# Altium PCB PCBmain.PcbDoc (continued)
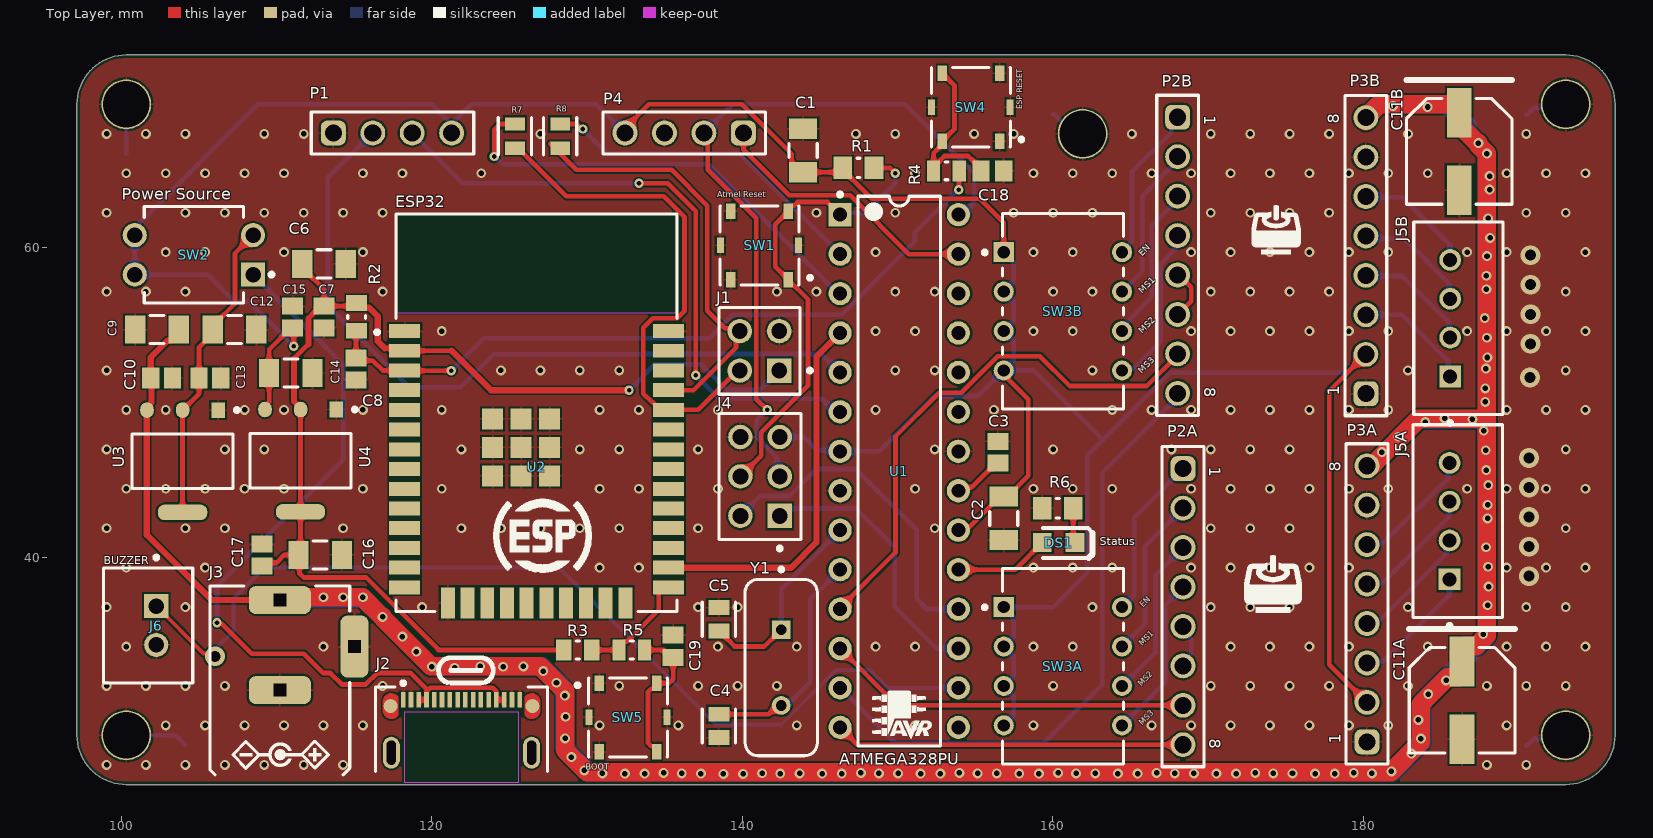
[diagram p0: Top Layer view]
## Part data
C1 C2 C6 C9 C12 C14 C16: library part CMP-04427-000082-1, "General Purpose Ceramic Capacitor, 1206, 10uF, 10%, X5R, 15%, 16V", Capacitance=10uF, Case Code (Imperial)=1206, Case Code (Metric)=3216, Dielectric=X5R, Max Operating Temperature=85°C, Min Operating Temperature=-55°C, Package Quantity=1, Tolerance=10%, Voltage=16V, Case/Package=1206, Construction=Flat, Depth=1.6mm, Height=0.07mm, Lead Free="Lead Free", Length=3.2mm, Mount="Surface Mount", Number of Pins=2, Packaging="Tape and Reel", Radiation Hardening=No, REACH SVHC="No SVHC", RoHS Compliant=Yes, Series=-, Size=1.78mm, Termination=SMD/SMT, Thickness=0.07inch, Voltage Rating=16V, Voltage Rating (DC)=16V, Width=1.6mm
C3 C7 C10 C13 C15 C17: library part CMP-2007-04784-1, Manufacturer="AVX Interconnect / Elco", Part Number=08055F104KAT2A
C4 C5: library part CMP-2007-00528-2, "CAP CER 22PF 25V 10% NP0 0805", Capacitance="22 pF", Manufacturer=KEMET, Package=C0805C-DN, Temperature="-55°C to +125°C", Temperature Characteristic=C0G, Temperature Coefficient=30ppm/°C, Temperature Range High=+125°C, Temperature Range Low=-55°C, Tolerance=0.1, Voltage Rating="25 V", Automotive=No, Category=Cap, ComponentLink2Description=Datasheet, ComponentLink2URL=https://content.kemet.com/datasheets/KEM_C1003_C0G_SMD.pdf, Device Class L1="Passive Components", Device Class L2=Capacitors, Device Class L3="Ceramic Capacitors", Digikey Description="CAP CER 22PF 25V 10% NP0 0805", Height=0.88mm, Ipc Land Pattern Name=CAPC200125X78, Lead Free=Yes, Manufacturer Part Number=C0805C220K3GACTU, Material=Ceramic, Mouser Description="Multilayer Ceramic Capacitors MLCC - SMD/SMT 25volts 22pF C0G 10%", Octopart=https://octopart.com/c0805c220k3gactu-kemet-12580612, RoHS=TRUE
C8: library part CMP-1036-04746-2, Manufacturer=Kemet, Parameter 1=1uF, Part Number=C0805C105K4PACTU
C11A C11B: library part CMP-2000-06206-1, "Aluminum Electrolytic Capacitor, 100 uF, +/- 20%, 25 V, 2-Pin SMD (Size Code D8), -55 to 105 degC, RoHS, Tape and Reel", Capacitance=100µF, Case Size/Dimension=Ø6.3x7.7mm, Lifetime@Temperature=2000Hrs@105°C, Manufacturer=Panasonic, Operating Temp Range=-55to+105°C, Operating Temp-Max=105°C, Package Description="2-Pin Electrolytic Aluminum Capacitor, Body 6.6 x 6.6 mm", Package Reference=FK-V-D8, Rated Voltage=25V, Ripple Current=280mA, Datasheet URL=http://industrial.panasonic.com/cdbs/www-data/pdf/RDE0000/ABA0000C1181.pdf, Datasheet Version=03/2016, Impedance=0.34O, Manufacturer URL=http://www.panasonic.com/, Mounting Technology=SurfaceMount, Package URL=http://industrial.panasonic.com/cdbs/www-data/pdf/RDE0000/DME0000COL48.pdf, Series=FK, Type=Can
C18 C19: library part CMP-2007-03135-1, Manufacturer=Vitramon, Parameter 1=1nF, Part Number=VJ0805D102KXAAJ
DS1: library part CMP-2000-05062-1, "Chip LED, Green, 2.2 V, -40 to 85 degC, 2-Pin SMD, Pb-Free, Tape and Reel", Forward Current If=20mA, Forward Voltage=2.2V, Forward Voltage VF Max=2.6V, LED Colour=Green, Manufacturer=Avago, Operating Temperature Max=85degC, Operating Temperature Min=-30degC, Operating Temperature Range=-30degCto+85degC, Opto Case Style=SMD, Package Description="2-Pin Surface Mount Device, Body 2 x 1.25 mm, Height 0.8 mm", Package Reference=HSMX-C170, Storage Temperature Min=-40degC, Bulb Size=1.25mmx1.4mm, Datasheet URL=https://datasheet.ciiva.com/29280/180495-da-01-en-chip-led-hsmg-c170-gelb-gruen-29280971.pdf, Datasheet Version=Oct-08, Dominant Wavelength=572nm, Dominant Wavelength Typ=572nm, External Depth=0.8mm, External Length / Height=2mm, External Width=1.25mm, Forward Current If Max=20mA, LED Mounting=SMD, LED Type=Standard, Lens Shape=Rectangular, Light Area Height=1mm, Luminous Intensity=15mcd, Luminous Intensity Min=4mcd, Luminous Intensity Typ=15mcd, Manufacturer URL=http://www.avagotech.com/, Mounting Type=SMD, MSL=MSL2A-4weeks, No. of Pins=2, Opto Mounting Orientation=Top, Packaging=CutTape, Peak Forward Current=20mA, Peak Wavelength=570nm, PIV Max=5V, Storage Temperature Max=85degC, SVHC=NoSVHC(16-Jun-2014), Viewing Angle=170deg, Voltage Vf Typ=2.2V, Wavelength Typ=570nm
J1: library part CMP-25680-000069-1, "CONN HEADER VERT 4POS 2.54MM", Color=Black, Flammability Rating="UL94 V-0", Max Operating Temperature=125°C, Min Operating Temperature=-65°C, Package Quantity=1, Connector Type="Male Pin", Contact Finish - Mating=TIN, Contact Material=Bronze, Contact Mating Length=0.23inch, Contact Plating=Tin, Contact Shape=Square, Contact Type="Male Pin", Fastening Type=Pull, Gender=Male, Height=2.54mm, Housing Color=Black, Housing Material=Plastic, Insulation Color=Black, Insulation Material=PBT, Lead Free="Lead Free", Length=5.08mm, Mount="Through Hole", Number of Contacts=4, Number of Positions=4, Number of Rows=2, Packaging=Bulk, Pitch=0.1inch, RoHS Compliant=Yes, Row Spacing=0.1inch, Series=-, Termination=Solder, Width=5.08mm
J2: library part CMP-04767-000030-2, "CONN RCP USB2.0 TYP C 24P SMD RA", Current Rating=5A, Max Operating Temperature=85°C, Min Operating Temperature=-40°C, Voltage Rating=30V, Contact Material="Gold, Nickel", Country of Origin=CN, Gender=Receptacle, NexarPartId=114105384, Number of Contacts=16, Schedule B="8536695050, 8536695050", USB Standard="USB 2.0"
J3: library part CMP-1502-00188-2, Color=Black, Current Rating=5A, Flammability Rating="UL94 V-0", Insulation Resistance=100MΩ, Max Operating Temperature=85°C, Min Operating Temperature=-40°C, Operating Supply Voltage=24V, Voltage Rating (DC)=20V, Connector Type=Power, Contact Gender=Female, Contact Material="Gold, Tin", Contact Plating=Tin, Gender=Male, Height=11mm, Housing Material=Polyamide, Mount="Through Hole", NexarPartId=52676100, Number of Contacts=3, Packaging=Bulk, REACH SVHC=Unknown, RoHS=Compliant, Shielding=Unshielded, Termination="Through Hole", Voltage Rating=24V
J4: library part CMP-2000-06636-2, "CONN HEADER VERT 6POS 2.54MM", Current Rating=3A, Manufacturer=Harwin, Temperature="-40°C to +105°C", Temperature Range High=+105°C, Temperature Range Low=-40°C, Automotive=No, Category=Conn, ComponentLink2Description=Datasheet, ComponentLink2URL=https://cdn.harwin.com/pdfs/M20-998.pdf, Conn Gender=Male, Conn Orientation=Vertical, Contact Material=Tin,Nickel, Device Class L1=Connectors, Device Class L2="Headers and Wire Housings", Device Class L3=unset, Digikey Description="CONN HEADER VERT 6POS 2.54MM", Height=8.99mm, Lead Free=Yes, Manufacturer Part Number=M20-9980346, Mouser Description="2.54mm (0.1\") Pitch DIL Vertical PC Tail Pin Header, 6.1mm mating pin height, tin, 3+3 contacts", Number of Contacts=6, Number of Rows=2, Octopart=https://octopart.com/m20-9980346-harwin-5436545, Package=M20-9980346, Pitch=2.54mm, RoHS=TRUE
J5A J5B: library part CMP-17439-000250-1, "CONN HEADER VERT 4POS 2.5MM", Color=Natural, Contact Resistance=20mR, Current Rating=3A, Flammability Rating="UL94 V-0", Housing Color=White, Insulation Resistance=1GR, Max Operating Temperature=85°C, Max Voltage Rating (AC)=250V, Min Operating Temperature=-25°C, Package Quantity=500, Connector Type=Header, Contact Finish - Mating=TIN, Contact Material=Brass, Contact Plating=Tin, Contact Shape=Square, Contact Type="Male Pin", Depth=5.75mm, Fastening Type=Detent, Gender=Male, Housing Material=Polyamide, Insulation Color=Natural, Insulation Material=Nylon, Lead Free="Lead Free", Lead Pitch=2.5mm, Length=12.4mm, Mated Stacking Heights=9.8mm, Material=Polyamide, Max Current Rating=3A, Max Voltage Rating (DC)=250V, Mount="Through Hole", Number of Contacts=4, Number of Positions=4, Number of Rows=1, Orientation=Straight, Packaging=Bulk, Pitch=2.5mm, REACH SVHC="No SVHC", Series=XH, Termination=Solder, Voltage Rating=250V, Voltage Rating (AC)=250V, Wire/Cable Gauge=22AWG
J6: library part CMP-2000-05888-3, "CONN HEADER VERT 2POS 2.5MM", Color=Natural, Contact Resistance=20mR, Current Rating=3A, Housing Color=White, Insulation Resistance=1GR, Max Operating Temperature=85°C, Max Voltage Rating (AC)=250V, Min Operating Temperature=-25°C, Connector Type="Male Pin", Contact Material=Brass, Contact Plating=Tin, Contact Type="Male Pin", Depth=5.75mm, Fastening Type=Detent, Housing Material=Polyamide, Lead Free="Lead Free", Lead Pitch=2.5mm, Length=7.4mm, Max Current Rating=3A, Max Voltage Rating (DC)=250V, Mount="Through Hole", Number of Contacts=2, Number of Positions=2, Number of Rows=1, Orientation=Straight, Packaging=Bulk, Pitch=2.5mm, REACH SVHC="No SVHC", Series=XH, Termination=Solder, Voltage Rating=250V, Voltage Rating (AC)=250V, Wire/Cable Gauge=22AWG
P1 P4: library part CMP-1502-01064-2, Color=Black, Contact Resistance=20mΩ, Current Rating=3A, Max Operating Temperature=105°C, Min Operating Temperature=-40°C, Operating Supply Voltage=250V, Connector Type="Male Pin", Contact Material=Copper, Contact Mating Length=5.9944mm, Contact Plating=Gold, Gender=Male, Height=8.89mm, Lead Free="Lead Free", Lead Pitch=2.54mm, Mount="Through Hole", NexarPartId=32855522, Number of Contacts=4, Number of Pins=4, Number of Positions=4, Number of Rows=1, Orientation=Vertical, Packaging=Bulk, Pitch=2.54mm, REACH SVHC=Unknown, RoHS=Compliant, Termination=Solder, Voltage Rating=250V
P2A P2B P3A P3B: library part CMP-1502-01076-2, Color=Black, Contact Resistance=20mΩ, Current Rating=3A, Max Operating Temperature=105°C, Min Operating Temperature=-40°C, Operating Supply Voltage=250V, Connector Type="Male Pin", Contact Material=Copper, Contact Mating Length=5.9944mm, Contact Plating=Gold, Gender=Male, Height=8.54mm, Lead Pitch=2.54mm, Mount="Through Hole", NexarPartId=32855533, Number of Contacts=8, Number of Pins=8, Number of Positions=8, Number of Rows=1, Orientation=Vertical, Packaging=Bulk, Pitch=2.54mm, REACH SVHC=Unknown, RoHS=Compliant, Termination=Solder, Voltage Rating=250V
R1 R6: library part CMP-2100-03671-1, "Chip Resistor, 1 KOhm, +/- 1%, 125 mW, -55 to 155 degC, 0805 (2012 Metric), RoHS, Tape and Reel", Case Code (Imperial)=0805, Case Code (Metric)=2012, Manufacturer=Yageo, Max Operating Temperature=155degC, Max Power Dissipation=125mW, Min Operating Temperature=-55degC, Package Description="2-Pin Surface Mounted Device, Body 2 x 1.25 mm", Package Quantity=1, Resistance=1KOhm, Temperature Coefficient=100ppm/degreesC, Tolerance=1%, Voltage Rating=150V, Case/Package=0805, Composition=ThickFilm, Datasheet URL=http://www.yageo.com/NewPortal/yageodocoutput?fileName=/pdf/R-Chip/PYu-RC_Group_51_RoHS_L_5.pdf, Datasheet Version="Rev. 5, 10/2016", Depth=1.25mm, Height=0.024inch, Lead Free=LeadFree, Length=0.079inch, Manufacturer URL=http://www.yageo.com/, Military Standard=Not, Number of Pins=2, Number of Terminations=2, Package Reference=0805, Packaging=TapeandReel, Power Rating=125mW, REACH SVHC=Unknown, RoHSCompliant=true, Termination=SMD/SMT, Voltage Rating (DC)=150V, Width=0.049inch
R2 R3: library part CMP-1659-00013-4, "Chip Resistor, 10 KOhm, +/- 1%, 0.125 W, -55 to 155 degC, 0805 (2012 Metric), RoHS, Tape and Reel", Manufacturer=Yageo, Max Operating Temperature="155 degC", Min Operating Temperature="-55 degC", Package Quantity=5000, Voltage Rating="150 V", ComponentLink1Description="Manufacturer URL", ComponentLink1URL=http://www.yageo.com/, ComponentLink2Description=Datasheet, ComponentLink2URL=http://www.yageo.com/documents/recent/PYu-RC_Group_51_RoHS_L_04.pdf, DatasheetVersion="Rev. 4, 02/2016", Height="0.5 mm", Length="2 mm", Mount="Surface Mount", Mounting Technology="Surface Mount", PackageDescription="2-Pin Surface Mounted Device, Body 2 x 1.25 mm", PackageReference=0805, Packaging="Tape and Reel", Parameter 1=10k, Pins=2, REACH SVHC="No SVHC", RoHSCompliant=true
R4 R5: library part CMP-2001-03932-1, Manufacturer="Vishay Dale", Parameter 1="470 ohm", Part Number=CRCW0805470RFKEA
R7 R8: library part CMP-07231-004348-1, "Thick Film Chip Resistors 0805 0Ω 0.125W 5%", Case Code (Imperial)=0805, Case Code (Metric)=2012, Max Operating Temperature=155°C, Max Power Dissipation=125mW, Min Operating Temperature=-55°C, Package Quantity=5000, Resistance=0mR, Temperature Coefficient=500ppm/°C, Tolerance=5%, Voltage Rating=150V, Case/Package=0805, Composition="Thick Film", Contact Plating=Tin, Depth=1.25mm, Height=0.5mm, Length=2mm, Military Standard=Not, Mount="Surface Mount", Number of Pins=2, Packaging="Tape and Reel", Power Rating=125mW, Radiation Hardening=No, REACH SVHC="No SVHC", Termination=SMD/SMT, Thickness=508um, Voltage Rating (DC)=150V, Width=1.25mm
SW1 SW4 SW5: library part CMP-05618-000006-1, "SWITCH TACTILE SPST-NO 0.02A 15V", Contact Current Rating=20mA, Contact Resistance=50mΩ, Manufacturer="Panasonic Electronic Components", Operating Force=2.6N, Package=0, Temperature="-20°C to +70°C", Temperature Range High=+70°C, Temperature Range Low=-20°C, Voltage Rating Dc=15V, Automotive=No, Category=Switch, ComponentLink2Description=Datasheet, ComponentLink2URL=https://datasheet.ciiva.com/8164/atv0000ce2-8164994.pdf, Device Class L1=Electromechanical, Device Class L2=Switches, Device Class L3="Tactile Switches", Digikey Description="SWITCH TACTILE SPST-NO 0.02A 15V", Electromechanical Life=200000Cycles, Height=1.7mm, Lead Free=Yes, Manufacturer Part Number=EVQ-PLMA15, Mount="Surface Mount", Mouser Description="Tactile Switches FLAT ACT 2.6NF 4.6x3.4x1.5mm", Octopart=https://octopart.com/evq-plma15-panasonic-39850235, RoHS=TRUE, Throw Configuration=SPST-NO
SW2: library part CMP-08827-000029-1, "SWITCH SLIDE DIP SPST 25MA 24V", Case/Package=DIP, Contact Current Rating=25mA, Contact Resistance=200mR, Max Operating Temperature=70°C, Max Voltage Rating (DC)=24V, Min Operating Temperature=-20°C, Package Quantity=76, Actuator Length=0.6mm, Actuator Type="Slide (Standard)", Contact Material=Gold, Contact Plating=Gold, Current Rating=25mA, Electrical Life=1000Cycles, Height=4.2mm, Lead Free="Lead Free", Length=0.237inch, Max Current Rating=25mA, Mechanical Life=1000Cycles, Mount="Through Hole", Number of Circuits=2, Number of Positions=2, Orientation=Straight, Packaging=Rail/Tube, Pitch=0.1inch, Radiation Hardening=No, RoHS Compliant=Yes, Series=A6T, Terminal Pitch=2.54mm, Termination="PC Pins", Throw Configuration=SPST, Voltage Rating (DC)=24V, Washable=No, Weight=0.26g, Width=6.2mm
SW3A SW3B: library part CMP-03400-000022-1, "SWITCH SLIDE DIP SPST 100MA 24V", Contact Current Rating=1A, Contact Resistance=50mR, Flammability Rating="UL94 V-0", Housing Color=Black, Max Current Rating=100mA, Max Operating Temperature=85°C, Max Voltage Rating (DC)=24V, Min Operating Temperature=-30°C, Package Quantity=35, Voltage Rating (DC)=5V, Actuator Length=0.99mm, Actuator Material=Polybutylene, Actuator Type=Standard, Contact Material="Copper Alloy", Contact Plating=Gold, Contact Post Length=4mm, Depth=7.49mm, Electrical Life=1000Cycles, ELV=Compliant, Height=0.138inch, Housing Material=Polyphenylene, Lead Free="Lead Free", Length=0.476inch, Mount="Through Hole", Number of Circuits=4, Number of Positions=4, Orientation=Straight, Packaging=Rail/Tube, Pitch=0.1inch, Radiation Hardening=No, RoHS Compliant=Yes, Sealable="No (Without)", Series=ADE, Terminal Pitch=2.54mm, Termination="PC Pins", Throw Configuration=SPST, Type=Switch, Washable=Yes
U1: library part CMP-0095-00013-2, "8-bit AVR Microcontroller, 32KB Flash, 1KB EEPROM, 2KB SRAM, 28-pin PDIP, Industrial Grade (-40°C to 85°C)", ComponentLink1Description="Manufacturer URL", ComponentLink1URL=http://www.atmel.com/, ComponentLink2Description="ATmega48A/48PA/88A/88PA/168A/168PA/328/328P Datasheet", ComponentLink2URL=http://www.atmel.com/dyn/resources/prod_documents/8271.pdf, ComponentLink3Description="ATmega48A/48PA/88A/88PA/168A/168PA/328/328P Summary", ComponentLink3URL=http://www.atmel.com/dyn/resources/prod_documents/8271S.pdf, DatasheetVersion="revD, May-2011", PackageDescription="28-lead (0.300\"/7.62mm Wide) Plastic Dual Inline Package (PDIP)", PackageReference=28P3, PackageVersion="revB, Sep-2001", RevisionNote="DatasheetVersion updated. URLs added."
U2: library part CMP-194065-000003-1, "WIFI MODULE 32MBITS SPI FLASH", Manufacturer="Espressif Systems", Max Frequency=2484MHz, Max Supply Voltage=3.6V, Min Supply Voltage=3V, Nominal Supply Current=500mA, Temperature="-40°C to +85°C", Temperature Range High=+85°C, Temperature Range Low=-40°C, Automotive=No, Bandwidth=72MHz, Category=UNK, ComponentLink2Description=Datasheet, ComponentLink2URL=https://www.espressif.com/sites/default/files/documentation/esp32-wroom-32d_esp32-wroom-32u_datasheet_en.pdf, Data Rate=150Mbits/s, Device Class L1="Integrated Circuits (ICs)", Device Class L2="RF Semiconductors and Devices", Device Class L3=Transceivers, Digikey Description="WIFI MODULE 32MBITS SPI FLASH", Height=3.2mm, Interface=I2C,SPI,UART,Ethernet,I2S,Other, Lead Free=Yes, Manufacturer Part Number=ESP32-WROOM-32D, Mouser Description="Wi-Fi/BT BLE Module ESP32-D0WD, SPI Flash, UART, P", Number Of Adc Channels=16, Number Of Gpio=32, Octopart=https://octopart.com/esp32-wroom-32d-espressif+systems-91040050, Package=ESP32-WROOM-32D, RoHS=TRUE, Sensitivity=-98dBm
U3: library part CMP-209535-000001-1, "LDO Voltage Regulators 1A, 3.3V", Dropout Voltage=1.1V, Manufacturer="Advanced Monolithic Systems", Manufacturer Part Number=AMS1117-3.3, Max Junction Temp=+125°C, Max Power Dissipation=1.2W, Max Supply Voltage=15V, Nominal Supply Current=5mA, Output Current=1A, Output Voltage=3.3V, Package=AMS1117, Temperature="-40°C to +125°C", Temperature Range Low=-40°C, Automotive=No, Category=IC, ComponentLink2Description=Datasheet, ComponentLink2URL=http://www.advanced-monolithic.com/pdf/ds1117.pdf, Device Class L1="Integrated Circuits (ICs)", Device Class L2="Power Management ICs", Device Class L3="Voltage Regulators - Linear", Height=1.8mm, Ipc Land Pattern Name=SOT229P700X180-4, Lead Free=Yes, Number Of Outputs=1, Octopart=https://octopart.com/ams1117-3.3-advanced+monolithic+systems-25899300, Output Type=Fixed, RoHS=TRUE, Standoff Height=0.64mm, Temperature Range High=+125°C
U4: library part CMP-209535-000001-1, "LDO Voltage Regulators 1A, 3.3V", Dropout Voltage=1.1V, Manufacturer="Advanced Monolithic Systems", Max Junction Temp=+125°C, Max Power Dissipation=1.2W, Max Supply Voltage=15V, Nominal Supply Current=5mA, Output Current=1A, Output Voltage=3.3V, Package=AMS1117, Temperature="-40°C to +125°C", Temperature Range Low=-40°C, Automotive=No, Category=IC, ComponentLink2Description=Datasheet, ComponentLink2URL=http://www.advanced-monolithic.com/pdf/ds1117.pdf, Device Class L1="Integrated Circuits (ICs)", Device Class L2="Power Management ICs", Device Class L3="Voltage Regulators - Linear", Height=1.8mm, Ipc Land Pattern Name=SOT229P700X180-4, Lead Free=Yes, Manufacturer Part Number=AMS1117-3.3, Number Of Outputs=1, Octopart=https://octopart.com/ams1117-3.3-advanced+monolithic+systems-25899300, Output Type=Fixed, RoHS=TRUE, Standoff Height=0.64mm, Temperature Range High=+125°C
Y1: library part CMP-1749-00003-1, "Resistance Weld Thru-Hole Crystal, 16 MHz, -20 to 70 degC, 2-Pin THD, RoHS, Bulk", Case\Package=Axial, Max Operating Temperature="155 degC", Min Operating Temperature="-55 degC", Package Quantity=200, Power Rating="250 mW", Resistance="221 kohm", Tolerance=1%, Voltage Rating="250 V", ComponentLink1Description="Manufacturer URL", ComponentLink1URL=http://www.foxonline.com/, ComponentLink2Description=Datasheet, ComponentLink2URL=http://www.foxonline.com/pdfs/hc49slf.pdf, DatasheetVersion=Mar-15, Length="0.248 inch", Mount="Through Hole", PackageDescription="2-Pin Through Hole Device, Body 11.35 x 4.65 mm", PackageReference=FOXSLF160-20, Packaging=Bulk, RoHSCompliant=true

## Free pads (board coordinates)
  round 3.2 hole 2.997 mask+1: 1(100.33,69.215) 2(100.33,28.575) 3(161.925,67.31) 5(193.04,69.215) 6(193.04,28.575)

## Via types
v1: diameter 0.635, hole 0.356, Top Layer to Bottom Layer, tented both sides, 375 vias
v2: diameter 1.27, hole 0.711, Top Layer to Bottom Layer, tented both sides, 10 vias
v3: diameter 0.6, hole 0.3, Top Layer to Bottom Layer, tented both sides, 7 vias
v4: diameter 0.6, hole 0.3, Top Layer to Bottom Layer, 4 vias
v5: diameter 1.27, hole 0.711, Top Layer to Bottom Layer, 1 vias

## Nets (pads, with @x,y where several pads share a name; then routed paths per layer and width w, separated by ;. In a path a pad name is that pad's centre, name@x,y a point inside that pad or via, vN(x,y) a via of type N, cw(c..) or ccw(c..) an arc to the next point about the centre after c; other vN are vias at no path point)
3V3: C6.1 C7.2 C16.1 C17.2 J1.1 R2.2 R3.1 U2.2 U4.2 U4.4 | length 78.3
  Top Layer w0.3: C17.2 109.257,39.686 110.01,39.686 110.513,40.189 C16.1 ; 111.125,50.083 111.555,49.654 U4.4 111.555,40.328 C16.1 ; 111.125,52.829 112.06,53.764 ; C6.1 111.667,58.688 113.068,57.287 C7.2 ; 112.06,55.424 112.451,55.815 112.668,55.815 C7.2 ; R2.2@115.522,56.563 115.322,56.563 114.973,56.215 C7.2 ; 116.981,53.499 118.096,53.499 U2.2 121.285,53.34 ; R3.1 120.445,34.069 115.778,38.735 111.76,38.735 111.483,39.012 111.483,40.121 C16.1
  Top Layer w0.4: 111.125,50.083 111.125,52.829 ; 112.06,53.764 112.06,55.424 ; R2.2@115.522,56.563 115.522,56.242 115.648,56.115 115.97,56.115 116.534,55.551 116.534,53.946 116.981,53.499 ; 121.285,53.34 123.825,50.8 v3(132.715,50.8)
  Bottom Layer w0.3: v3(132.715,50.8) 134.38,52.465 137.346,52.465 138.993,50.817 141.138,50.817 J1.1
+5: C1.1 C2.1 C14.1 C15.2 J4.5 P1.4 P3A.2 P3B.2 P4.4 R1.2 SW2.3 SW2.4 SW3A.1 SW3A.2 SW3A.3 SW3A.4 SW3B.1 SW3B.2 SW3B.3 SW3B.4 U1.7 U1.20 U4.3 | length 207.2
  Top Layer w0.3: U4.3 109.265,49.776 109.529,50.041 C14.1 109.529,53.421 110.924,54.815 C15.2 111.113,54.75 v3(111.113,53.634) ; P4.4 132.453,67.683 133.985,69.215 139.978,69.215 143.175,66.018 143.175,65.343 143.678,64.84 C1.1 146.214,64.84 R1.2 146.487,64.988 148.345,63.13 155.31,63.13 156.845,61.595 SW3B.1 ; U1.20 154.154,42.013 154.661,42.013 156.594,43.946 157.096,43.946 158.432,45.282 158.432,50.215 156.845,51.802 SW3B.4 ; P3B.2 177.8,50.745 177.8,33.13 P3A.2
  Bottom Layer w0.3: v3(111.113,53.634) 108.242,56.505 107.325,56.505 105.585,58.245 SW2.4 100.876,61.244 101.197,61.565 101.197,61.596 108.816,69.215 120.015,69.215 121.039,68.191 121.039,67.612 P1.4 121.536,67.612 121.536,68.196 122.555,69.215 130.601,69.215 P4.4 ; J4.5 143.96,47.784 144.812,46.931 146.236,46.931 U1.7 148.831,46.863 152.398,50.43 155.205,50.43 SW3B.4 ; SW3A.4 156.845,29.24 157.48,29.875 157.48,31.085 SW3A.3@156.845,31.72 ; SW3A.3 156.845,31.78 157.48,32.415 157.48,33.625 SW3A.2@156.845,34.26 ; SW3A.2 156.845,34.32 157.48,34.955 157.48,36.195 SW3A.1 160.02,36.83 162.231,39.041 162.231,46.609 167.546,51.925 178.979,51.925 P3B.2 ; SW3B.3 156.845,54.58 157.48,53.945 157.48,52.735 156.845,52.1 SW3B.4 ; SW3B.3@156.845,54.64 157.48,55.275 157.48,56.485 SW3B.2@156.845,57.12 ; SW3B.2 156.845,57.18 157.48,57.815 157.48,59.055 SW3B.1 ; 163.221,47.599 158.75,52.07 SW3B.4
+12: C9.1 C10.2 C11A.1 C11B.1 J3.1 P3A.8 P3B.8 U3.3 | length 304.6
  Top Layer w0.4: U3.3@101.65,49.504 101.65,41.478 105.84,37.287 J3.1@110.221,37.287 ; U3.3 101.665,49.713 101.955,50.003 101.955,51.54 C10.2 101.909,52.909 103.002,54.002 103.252,54.002 103.705,54.454 C9.1
  Top Layer w1.2: J3.1 110.403,37.465 115.536,37.465 116.806,36.195 v1(116.84,36.195) 116.84,36.133 119.953,33.02 127,33.02 128.612,31.408 128.612,27.598 130.01,26.2 181.775,26.2 183.691,28.116 183.691,30.564 185.449,32.323 186.163,32.323 186.163,33.923 186.563,34.323 187.257,34.323 187.96,35.026 187.96,48.955 ; P3B.8@180.168,68.117 P3B.8 181.03,69.215 185.637,69.215 C11B.1 ; P3A.8 180.314,46.009 180.629,46.009 183.575,48.955 187.96,48.955 ; C11B.1@186.107,67.945 187.325,66.728 187.393,66.728 v1(187.411,66.71) 187.411,66.589 v1(187.96,66.04) 187.96,64.592 187.96,63.722 187.96,61.864 187.96,60.603 187.96,59.438 187.96,58.167 187.96,57.297 187.96,55.438 187.96,54.177 187.96,52.905 187.96,52.189 187.96,50.917 187.96,50.048 187.96,48.955
  Bottom Layer w1.2: J3.1 110.323,37.385 115.635,37.385 116.825,36.195 v1(116.84,36.195) 116.84,36.133 119.953,33.02 127.111,33.02 128.499,31.633 128.499,27.846 130.145,26.2 181.898,26.2 183.787,28.089 183.787,30.752 187.96,34.925 187.96,48.895 ; P3B.8 180.168,68.408 180.975,69.215 185.352,69.215 186.733,67.834 186.733,67.388 v1(187.411,66.71) 187.411,66.589 v1(187.96,66.04) 187.96,64.592 187.96,63.722 187.96,61.864 187.96,60.603 187.96,59.438 187.96,58.167 187.96,57.297 187.96,55.438 187.96,54.177 187.96,52.905 187.96,52.189 187.96,50.917 187.96,50.048 187.96,48.895 ; P3A.8 180.314,46.009 180.629,46.009 183.515,48.895 187.96,48.895
  other v1: 138.786,26.088 140.054,26.088 130.992,26.121 132.442,26.108 133.71,26.108 136.105,26.121 137.336,26.101 142.449,26.101 143.692,26.121 145.142,26.108 146.41,26.108 148.805,26.121 150.042,26.121 151.492,26.108 152.76,26.108 155.155,26.121 156.392,26.121 157.842,26.108 159.11,26.108 161.505,26.121 162.742,26.121 164.192,26.108 165.46,26.108 167.855,26.121 169.092,26.121 170.542,26.108 171.81,26.108 174.205,26.121 175.442,26.121 176.892,26.108 178.16,26.108 180.555,26.121 134.94,26.147 141.284,26.127 147.64,26.147 153.99,26.147 160.34,26.147 166.69,26.147 173.04,26.147 179.39,26.147 181.807,26.251 129.827,26.315 128.998,27.17 183.095,27.391 128.597,28.374 183.715,28.36 183.549,29.569 128.623,29.772 128.584,31.131 184.189,31.228 128.04,31.959 185.338,32.105 127.186,32.71 121.472,32.92 120.017,32.995 123.13,33.005 124.596,32.984 125.904,33.008 119.022,33.968 118.11,34.925 187.731,35.087 188.003,36.946 113.03,37.465 114.3,37.465 115.57,37.465 188.068,38.153 188.035,39.425 187.905,40.686 188.003,42.545 188.003,43.414 188.046,44.686 187.92,45.656 181.195,46.814 187.887,46.928 182.28,47.801 187.757,48.189 183.994,48.746 187.029,48.924 185.236,48.983 187.855,50.048 187.855,50.917 187.898,52.189 187.99,52.905 187.958,54.177 187.827,55.438 187.925,57.297 187.925,58.167 187.969,59.438 188.17,60.603 188.039,61.864 188.137,63.722 188.137,64.592 184.143,69.038 181.908,69.105
BOOT: R3.2 R5.2 U2.25 | length 7.4
  Top Layer w0.3: R3.2 R5.2 132.065,34.319 132.34,34.594 132.554,34.594 134.62,36.66 134.62,37.8 134.92,38.1 U2.25
BUZZER: J6.1 U1.16 | length 63
  Top Layer w0.254: J6.1 105.304,33.849 105.851,33.849 v5(106.045,33.655)
  Bottom Layer w0.254: v5(106.045,33.655) 106.239,33.849 106.239,34.278 107.234,35.273 107.234,37.384 109.22,39.37 128.204,39.37 138.32,29.254 142.515,29.254 146.043,32.782 148.193,32.782 149.352,31.623 U1.16
EN: C8.2 R2.1 R4.2 U2.3 | length 47.3
  Top Layer w0.3: R2.1 115.124,54.566 C8.2 115.28,52.705 116.205,52.705 116.84,52.07 U2.3 118.27,52.055 v3(121.27,52.055) ; v3(153.943,63.707) 153.961,63.725 153.961,64.911 R4.2
  Bottom Layer w0.3: v3(121.27,52.055) 123.352,54.137 137.877,54.137 139.405,55.666 146.399,55.666 151.13,60.397 151.13,60.96 153.877,63.707 v3(153.943,63.707)
GND: C1.2 C2.2 C3.1 C4.2 C5.2 C6.2 C7.1 C8.1 C9.2 C10.1 C11A.2 C11B.2 C12.2 C13.1 C14.2 C15.1 C16.2 C17.1 C18.1 C19.1 J1.3 J2.A1 J2.A12 J2.B1 J2.B12 J3.2 J3.3 J4.6 J6.2 P1.1 P3A.1 P3A.7 P3B.1 P3B.7 P4.3 pad.1 pad.2 pad.3 pad.5 pad.6 R6.1 SW1.1 SW1.2 SW1.B SW1.B' SW4.1 SW4.2 SW4.A SW4.A' SW5.1 SW5.2 SW5.A SW5.A' U1.8 U1.22 U2.1 U2.15 U2.38 U2.39 U3.1 U4.1 | length 15.3
  Bottom Layer w0.3: pad.2 103.505,28.575 104.14,27.94 ; 100.33,66.04 pad.1 ; 160.02,68.58 160.111,68.58 161.381,67.31 pad.3 ; 190.5,27.94 190.591,27.94 190.99,28.339 192.804,28.339 pad.6 ; 190.5,68.58 190.591,68.58 190.99,68.979 192.804,68.979 pad.5
  other v1: 99.06,26.67 101.6,26.67 104.14,26.67 106.68,26.67 109.22,26.67 111.76,26.67 114.3,26.67 187.96,26.67 190.5,26.67 102.87,29.21 105.41,29.21 107.95,29.21 110.49,29.21 113.03,29.21 115.57,29.21 130.81,29.21 135.89,29.21 143.51,29.21 151.13,29.21 158.75,29.21 166.37,29.21 168.91,29.21 171.45,29.21 173.99,29.21 176.53,29.21 179.07,29.21 181.61,29.21 189.23,29.21 99.06,31.75 101.6,31.75 104.14,31.75 106.68,31.75 116.84,31.75 132.08,31.75 137.16,31.75 139.7,31.75 142.24,31.75 160.02,31.75 170.18,31.75 172.72,31.75 175.26,31.75 177.8,31.75 182.88,31.75 187.96,31.75 190.5,31.75 193.04,31.75 100.33,34.29 113.03,34.29 138.43,34.29 143.51,34.29 148.59,34.29 151.13,34.29 158.75,34.29 161.29,34.29 171.45,34.29 173.99,34.29 176.53,34.29 179.07,34.29 184.15,34.29 189.23,34.29 191.77,34.29 194.31,34.29 99.06,36.83 104.14,36.83 119.38,36.83 137.16,36.83 139.7,36.83 162.56,36.83 170.18,36.83 172.72,36.83 175.26,36.83 182.88,36.83 190.5,36.83 193.04,36.83 100.33,39.37 105.41,39.37 130.81,39.37 133.35,39.37 158.75,39.37 161.29,39.37 163.83,39.37 168.91,39.37 171.45,39.37 173.99,39.37 176.53,39.37 179.07,39.37 189.23,39.37 191.77,39.37 194.31,39.37 99.06,41.91 104.14,41.91 106.68,41.91 114.3,41.91 121.92,41.91 124.46,41.91 127,41.91 129.54,41.91 132.08,41.91 137.16,41.91 152.4,41.91 170.18,41.91 172.72,41.91 175.26,41.91 193.04,41.91 100.33,44.45 102.87,44.45 105.41,44.45 107.95,44.45 110.49,44.45 115.57,44.45 120.65,44.45 130.81,44.45 133.35,44.45 138.43,44.45 151.13,44.45 158.75,44.45 161.29,44.45 163.83,44.45 168.91,44.45 171.45,44.45 173.99,44.45 176.53,44.45 179.07,44.45 181.61,44.45 186.69,44.45 189.23,44.45 191.77,44.45 194.31,44.45 99.06,46.99 106.68,46.99 109.22,46.99 121.92,46.99 129.54,46.99 132.08,46.99 137.16,46.99 152.4,46.99 160.02,46.99 167.64,46.99 170.18,46.99 172.72,46.99 175.26,46.99 193.04,46.99 100.33,49.53 102.87,49.53 107.95,49.53 110.49,49.53 115.57,49.53 120.65,49.53 130.81,49.53 133.35,49.53 138.43,49.53 148.59,49.53 156.21,49.53 163.83,49.53 166.37,49.53 168.91,49.53 171.45,49.53 173.99,49.53 176.53,49.53 179.07,49.53 181.61,49.53 189.23,49.53 191.77,49.53 194.31,49.53 99.06,52.07 124.46,52.07 127,52.07 129.54,52.07 132.08,52.07 149.86,52.07 152.4,52.07 162.56,52.07 182.88,52.07 193.04,52.07 120.65,54.61 148.59,54.61 151.13,54.61 158.75,54.61 161.29,54.61 168.91,54.61 171.45,54.61 173.99,54.61 176.53,54.61 179.07,54.61 181.61,54.61 186.69,54.61 189.23,54.61 191.77,54.61 194.31,54.61 99.06,57.15 101.6,57.15 104.14,57.15 116.84,57.15 142.24,57.15 144.78,57.15 149.86,57.15 152.4,57.15 160.02,57.15 162.56,57.15 170.18,57.15 172.72,57.15 175.26,57.15 177.8,57.15 193.04,57.15 102.87,59.69 105.41,59.69 110.49,59.69 115.57,59.69 148.59,59.69 158.75,59.69 161.29,59.69 168.91,59.69 171.45,59.69 173.99,59.69 176.53,59.69 179.07,59.69 181.61,59.69 186.69,59.69 189.23,59.69 194.31,59.69 99.06,62.23 104.14,62.23 106.68,62.23 109.22,62.23 111.76,62.23 114.3,62.23 116.84,62.23 144.78,62.23 149.86,62.23 157.48,62.23 160.02,62.23 162.56,62.23 170.18,62.23 172.72,62.23 175.26,62.23 177.8,62.23 190.5,62.23 193.04,62.23 100.33,64.77 102.87,64.77 105.41,64.77 107.95,64.77 110.49,64.77 115.57,64.77 118.11,64.77 123.19,64.77 151.13,64.77 158.75,64.77 161.29,64.77 163.83,64.77 166.37,64.77 168.91,64.77 171.45,64.77 173.99,64.77 176.53,64.77 179.07,64.77 181.61,64.77 184.15,64.77 189.23,64.77 191.77,64.77 194.31,64.77 99.06,67.31 101.6,67.31 104.14,67.31 109.22,67.31 111.76,67.31 127,67.31 147.32,67.31 149.86,67.31 154.94,67.31 157.48,67.31 165.1,67.31 170.18,67.31 172.72,67.31 175.26,67.31 177.8,67.31 182.88,67.31 190.5,67.31
  other v2: 190.671,38.819 190.671,40.724 190.671,42.629 190.671,44.534 190.671,46.439 190.741,51.619 190.777,53.782 190.777,55.687 190.777,57.592 190.777,59.497
MISO: J4.2 U1.18 | length 21.6
  Bottom Layer w0.3: J4.2 141.163,43.986 143.046,43.986 144.78,45.72 147.32,45.72 151.237,41.803 151.237,37.358 151.892,36.703 U1.18
MOSI: J4.1 U1.17 | length 17.7
  Bottom Layer w0.3: J4.1 142.896,43.18 147.32,43.18 149.829,40.671 149.829,36.861 152.527,34.163 U1.17
NetC3_2: C3.2 U1.21 | length 3.3
  Top Layer w0.3: U1.21 154.154,44.553 154.787,44.553 156.342,46.108 C3.2
NetC4_1: C4.1 U1.10 Y1.2 | length 14.8
  Top Layer w0.3: C4.1 141.703,29.927 142.269,30.493 Y1.2
  Bottom Layer w0.3: Y1.2 142.685,30.665 143.06,30.665 144.38,31.985 144.38,37.319 U1.10
NetC5_1: C5.1 U1.9 Y1.1 | length 12.9
  Top Layer w0.3: C5.1 139.509,34.29 141.43,34.29 Y1.1
  Bottom Layer w0.3: Y1.1 142.513,37.992 U1.9
NetC18_2: C18.2 R4.1 SW4.B SW4.B' | length 11
  Top Layer w0.3: R4.1 R4.1@152.329,65.179 ; SW4.B' 153.67,70.433 153.67,67.615 SW4.B 152.879,66.624 152.329,66.074 R4.1@152.329,65.179 ; C18.2 155.393,65.054 154.566,65.881 153.031,65.881 R4.1@152.329,65.179
NetC19_2: C19.2 R5.1 SW5.B SW5.B' | length 9.6
  Top Layer w0.3: R5.1 134.943,34.069 C19.2@135.425,33.587 ; SW5.B' 134.494,27.721 134.344,27.871 134.144,27.871 133.937,28.078 133.937,31.364 134.144,31.571 134.344,31.571 134.494,31.721 SW5.B 135.284,31.921 135.55,32.187 C19.2
NetDS1_1: DS1.1 U1.19 | length 6.1
  Top Layer w0.3: U1.19 157.587,39.243 DS1.1
NetDS1_2: DS1.2 R6.2 | length 2.3
  Top Layer w0.3: R6.2 161.319,41.102 DS1.2
NetJ5A_1: J5A.1 P3A.3 | length 8.1
  Bottom Layer w0.3: P3A.3 180.352,33.346 181.292,33.346 185.559,37.614 J5A.1
NetJ5A_2: J5A.2 P3A.4 | length 7.9
  Bottom Layer w0.3: P3A.4 180.487,36.021 181.103,36.021 185.368,40.286 185.368,40.902 J5A.2@185.573,41.107
NetJ5A_3: J5A.3 P3A.5 | length 8.1
  Bottom Layer w0.3: P3A.5 180.347,38.421 181.296,38.421 185.522,42.647 185.522,43.584 J5A.3
NetJ5A_4: J5A.4 P3A.6 | length 8
  Bottom Layer w0.3: P3A.6 180.347,40.961 181.296,40.961 185.494,45.159 185.494,46.056 J5A.4
NetJ5B_1: J5B.1 P3B.3 | length 7.6
  Bottom Layer w0.3: P3B.3 182.471,55.654 185.463,52.662 185.463,51.823 J5B.1
NetJ5B_2: J5B.2 P3B.4 | length 7.6
  Bottom Layer w0.3: P3B.4 180.209,58.153 182.512,58.153 185.525,55.14 185.525,54.261 J5B.2
NetJ5B_3: J5B.3 P3B.5 | length 7.6
  Bottom Layer w0.3: P3B.5 180.331,60.571 182.634,60.571 185.545,57.66 185.545,56.741 J5B.3
NetJ5B_4: J5B.4 P3B.6 | length 7.7
  Bottom Layer w0.3: P3B.6 180.209,63.233 182.512,63.233 185.583,60.162 185.583,59.203 J5B.4
NetP1_2: P1.2 U1.5 | length 48.9
  Bottom Layer w0.3: P1.2 113.315,64.471 113.315,56.23 118.561,50.984 121.855,50.984 123.987,53.115 133.727,53.115 133.738,53.126 145.121,53.126 U1.5
NetP1_3: P1.3 U1.6 | length 41.2
  Top Layer w0.3: v4(133.35,64.135) 135.205,64.135 137.005,62.335 v3(137.005,51.756)
  Bottom Layer w0.3: P1.3 121.976,64.135 v4(133.35,64.135) ; v3(137.005,51.756) 138.506,50.256 145.127,50.256 145.98,49.403 U1.6
NetP2A_1: P2A.1 SW3A.8 | length 10.5
  Bottom Layer w0.3: SW3A.8 165.242,37.607 165.242,42.594 P2A.1
NetP2A_2: P2A.2 SW3A.7 | length 10.5
  Bottom Layer w0.3: SW3A.7 165.944,35.769 165.944,40.756 P2A.2
NetP2A_3: P2A.3 SW3A.6 | length 10.5
  Bottom Layer w0.3: SW3A.6 166.617,33.902 166.617,38.889 P2A.3
NetP2A_4: P2A.4 SW3A.5 | length 10.5
  Bottom Layer w0.3: SW3A.5 167.253,31.998 167.253,36.985 P2A.4
NetP2A_5: P2A.5 P2A.6 | length 3
  Bottom Layer w0.3: P2A.6 168.393,33.353 168.91,33.871 168.91,34.759 168.393,35.277 P2A.5
NetP2A_7: P2A.7 U1.12 | length 23.6
  Top Layer w0.3: U1.12 149.962,30.505 P2A.7
NetP2A_8: P2A.8 U1.14 | length 22.6
  Top Layer w0.3: U1.14 147.422,27.965 P2A.8
NetP2B_1: P2B.1 SW3B.8 | length 10.3
  Bottom Layer w0.3: SW3B.8 164.465,59.72 165.1,60.355 165.1,64.866 167.626,67.393 167.626,67.746 168.284,68.404 P2B.1@168.319,68.404
NetP2B_2: P2B.2 SW3B.7 | length 10.3
  Bottom Layer w0.3: SW3B.7 165.757,58.442 165.757,63.302 P2B.2@168.319,65.864
NetP2B_3: P2B.3 SW3B.6 | length 10.3
  Bottom Layer w0.3: SW3B.6 164.465,54.857 166.38,56.772 166.38,61.385 P2B.3@168.319,63.324
NetP2B_4: P2B.4 SW3B.5 | length 10.7
  Bottom Layer w0.3: SW3B.5 164.622,52.227 165.257,52.227 166.951,53.921 166.951,58.949 167.968,59.967 167.968,60.081 168.319,60.432 P2B.4@168.319,60.784
NetP2B_5: P2B.5 P2B.6 | length 3
  Top Layer w0.3: P2B.6@168.319,55.704 168.319,55.939 168.91,56.53 168.91,57.418 168.319,58.009 P2B.5@168.319,58.244
NetP2B_7: P2B.7 U1.11 | length 34.6
  Top Layer w0.3: U1.11 146.304,36.778 149.874,40.348 149.874,47.818 152.7,50.645 154.116,50.645 156.463,52.992 159.177,52.992 161.099,51.07 166.054,51.07 168.044,53.059 P2B.7
NetP2B_8: P2B.8 U1.13 | length 40.8
  Bottom Layer w0.3: U1.13 149.871,28.056 159.405,28.056 163.195,31.846 163.195,45.5 P2B.8@168.319,50.624
NetP4_1: P4.1 U1.27 | length 17.7
  Top Layer w0.3: P4.1 140.086,67.35 140.086,66.289 143.031,63.344 146.955,63.344 150.736,59.563 U1.27
NetU1_4: U1.4 U2.26 | length 24.3
  Top Layer w0.4: U2.26 143.151,39.37 144.78,40.999 144.78,52.959 U1.4
REG_5V: C12.1 C13.2 SW2.2 U3.2 U3.4 | length 19.7
  Top Layer w0.3: U3.4 U3.2 105.018,50.582 C13.2 105.018,53.566 105.906,54.454 C12.1 105.906,54.955 107.332,56.382 107.332,59.621 SW2.2
Reset: J4.4 R1.1 SW1.A SW1.A' U1.1 | length 30.7
  Top Layer w0.3: J4.4 141.226,46.589 141.226,48.091 144.243,51.108 144.243,56.642 SW1.A 142.125,58.76 142.125,61.48 SW1.A' 142.965,62.52 143.115,62.67 143.315,62.67 143.562,62.917 145.49,62.917 U1.1 ; R1.1 149.517,65.113 v4(149.86,64.77)
  Bottom Layer w0.3: U1.1 146.439,62.238 147.963,62.238 149.86,64.135 v4(149.86,64.77)
RX_channel: R8.1 U1.2 | length 21.5
  Top Layer w0.3: R8.1 129.351,67.945 129.68,67.616 v4(129.731,67.616)
  Bottom Layer w0.3: v4(129.731,67.616) 131.307,66.04 139.827,66.04 U1.2
RX_ESP: J1.2 R7.2 U2.34 | length 33.9
  Top Layer w0.3: R7.2 125.566,66.391 128.664,63.293 134.954,63.293 136.28,61.967 136.28,55.889 135.821,55.43 134.233,55.43 133.631,54.828 133.631,50.582 134.171,50.042 134.193,50.042 134.705,49.53 U2.34 137.16,49.53 139.694,52.064 J1.2
SCL: J4.3 P4.2 U1.28 | length 47.9
  Top Layer w0.3: P4.2 137.781,67.115 137.781,64.996 140.907,61.87 140.907,50.228 v3(141.605,49.53)
  Bottom Layer w0.3: P4.2 139.384,69.215 150.495,69.215 154.94,64.77 154.94,62.865 154.178,62.103 U1.28 ; v3(141.605,49.53) 140.942,48.867 140.942,47.76 142.223,46.479 142.223,45.441 J4.3
TX_channel: R7.1 U1.3 | length 29.1
  Top Layer w0.3: v4(124.021,65.853) 124.021,67.559 124.407,67.945 R7.1
  Bottom Layer w0.3: v4(124.021,65.853) 124.062,65.853 124.572,65.343 137.857,65.343 146.177,57.023 U1.3
TX_ESP: J1.4 R8.2 U2.35 | length 27.8
  Top Layer w0.3: 127.635,66.675 127.993,66.317 129.322,64.988 135.453,64.988 137.756,62.685 137.756,55.919 138.885,54.79 139.659,54.79 J1.4 139.602,54.361 139.602,53.537 136.865,50.8 U2.35
USBC_5V: J2.A4 J2.A9 J2.B4 J2.B9 SW2.1 | length 51
  Top Layer w0.3: v3(106.172,35.823) 106.23,35.765 106.475,35.765 108.41,33.83 111.771,33.83 113.02,32.581 113.48,32.581 114.213,31.849 115.755,31.849 116.488,32.581 118.652,32.581 119.753,31.48 ; J2.A4 J2.B9 119.67,31.397 119.905,31.632 123.935,31.632 124.17,31.397 J2.B4 J2.A9
  Bottom Layer w0.3: v3(106.172,35.823) 106.172,38.181 114.3,46.309 114.3,52.441 SW2.1
pads on no net: J2.1 J2.2 J2.3 J2.4 J2.A5 J2.A6 J2.A7 J2.A8 J2.B5 J2.B6 J2.B7 J2.B8 U1.15 U1.23 U1.24 U1.25 U1.26 U2.4 U2.5 U2.6 U2.7 U2.8 U2.9 U2.10 U2.11 U2.12 U2.13 U2.14 U2.16 U2.17 U2.18 U2.19 U2.20 U2.21 U2.22 U2.23 U2.24 U2.27 U2.28 U2.29 U2.30 U2.31 U2.32 U2.33 U2.36 U2.37

## Polygon pours and split planes (outlines as drawn)
GND on Top Layer "GND_L01_P000" (solid, remove dead copper, pour order 0): 96.139,25.4 226.695,25.4 226.695,72.39 96.139,72.39
GND on Bottom Layer "GND_L02_P001" (solid, remove dead copper, pour order 1): 96.139,25.4 226.695,25.4 226.695,72.39 96.139,72.39

## Silkscreen, mask and mechanical layers (free items; w line width, h text height)
Top Overlay:
  drawing of 39 lines, arcs and shapes, not listed
  text "ESP RESET" at 158.165,68.901 h0.6 r90
  text "Atmel Reset" at 138.4,63.21 h0.38
  text "Power Source" at 100.032,63.055 h0.76
  text "ESP32" at 117.664,62.593 h0.76
  text "EN" at 165.762,59.389 h0.43 r45
  text "MS1" at 165.777,56.987 h0.43 r45
  text "MS2" at 165.762,54.41 h0.43 r45
  text "MS3" at 165.719,51.833 h0.43 r45
  text "Status" at 163.016,40.812 h0.51
  text "BUZZER" at 98.889,39.602 h0.51
  text "EN" at 165.826,36.78 h0.38 r45
  text "MS1" at 165.765,34.313 h0.38 r45
  text "MS2" at 165.705,31.71 h0.38 r45
  text "MS3" at 165.75,29.183 h0.38 r45
  text "ATMEGA328PU" at 146.248,26.676 h0.76
  text "BOOT" at 129.911,26.339 h0.38
Mechanical 1:
  lines w0.254: 97.155,28.575 ccw(c100.33,28.575) 100.33,25.4 193.04,25.4 ccw(c193.04,28.575) 196.215,28.575 189.865,34.925 189.865,62.865 196.215,69.215 ccw(c193.04,69.215) 193.04,72.39 100.33,72.39 ccw(c100.33,69.215) 97.155,69.215 97.155,28.575

## Text inside footprints (layer, text, board x,y; h text height)
P2A: Top Overlay "1" at 170.093,45.865 h0.76 r270; Top Overlay "8" at 170.093,28.345 h0.76 r270
P2B: Top Overlay "1" at 169.744,68.497 h0.76 r270; Top Overlay "8" at 169.744,50.977 h0.76 r270
P3A: Top Overlay "1" at 178.538,28.032 h0.76 r90; Top Overlay "8" at 178.538,45.552 h0.76 r90
P3B: Top Overlay "1" at 178.468,50.454 h0.76 r90; Top Overlay "8" at 178.468,67.974 h0.76 r90